# Altium PCB higgs.PcbDoc (part 1 of 25) (continued)
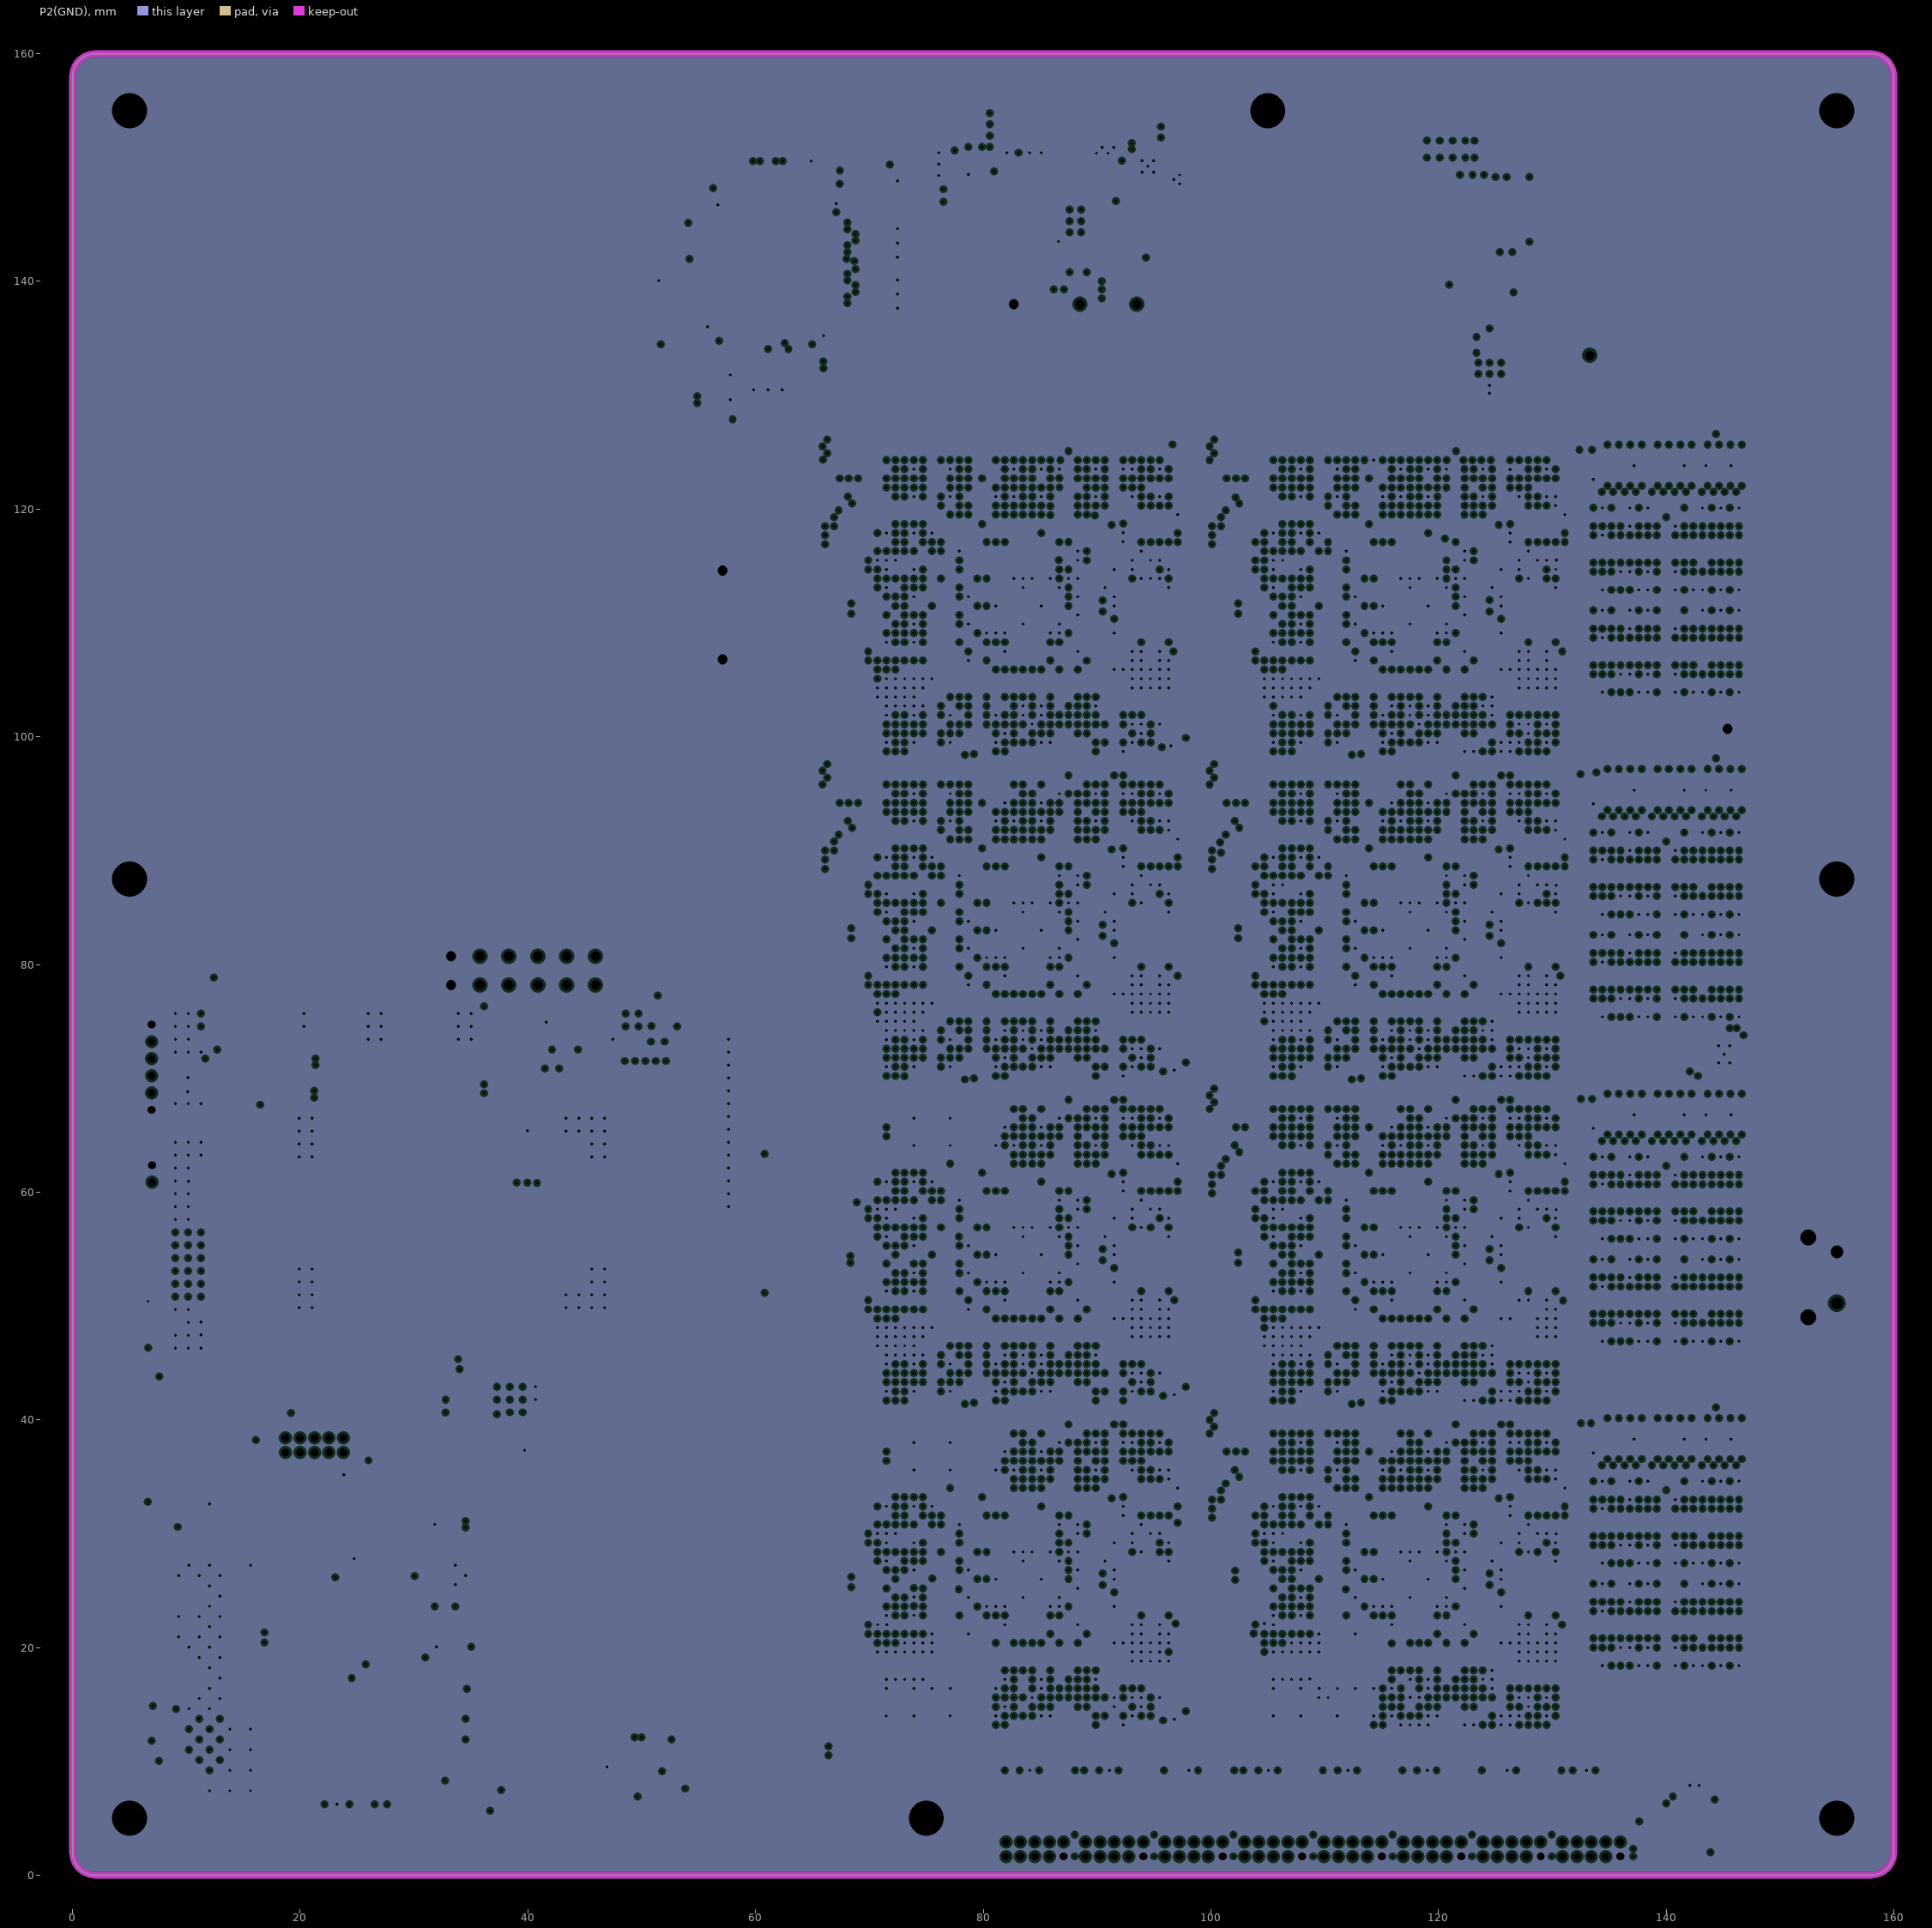
[diagram p4: P2(GND), clearances drawn from the general rule]
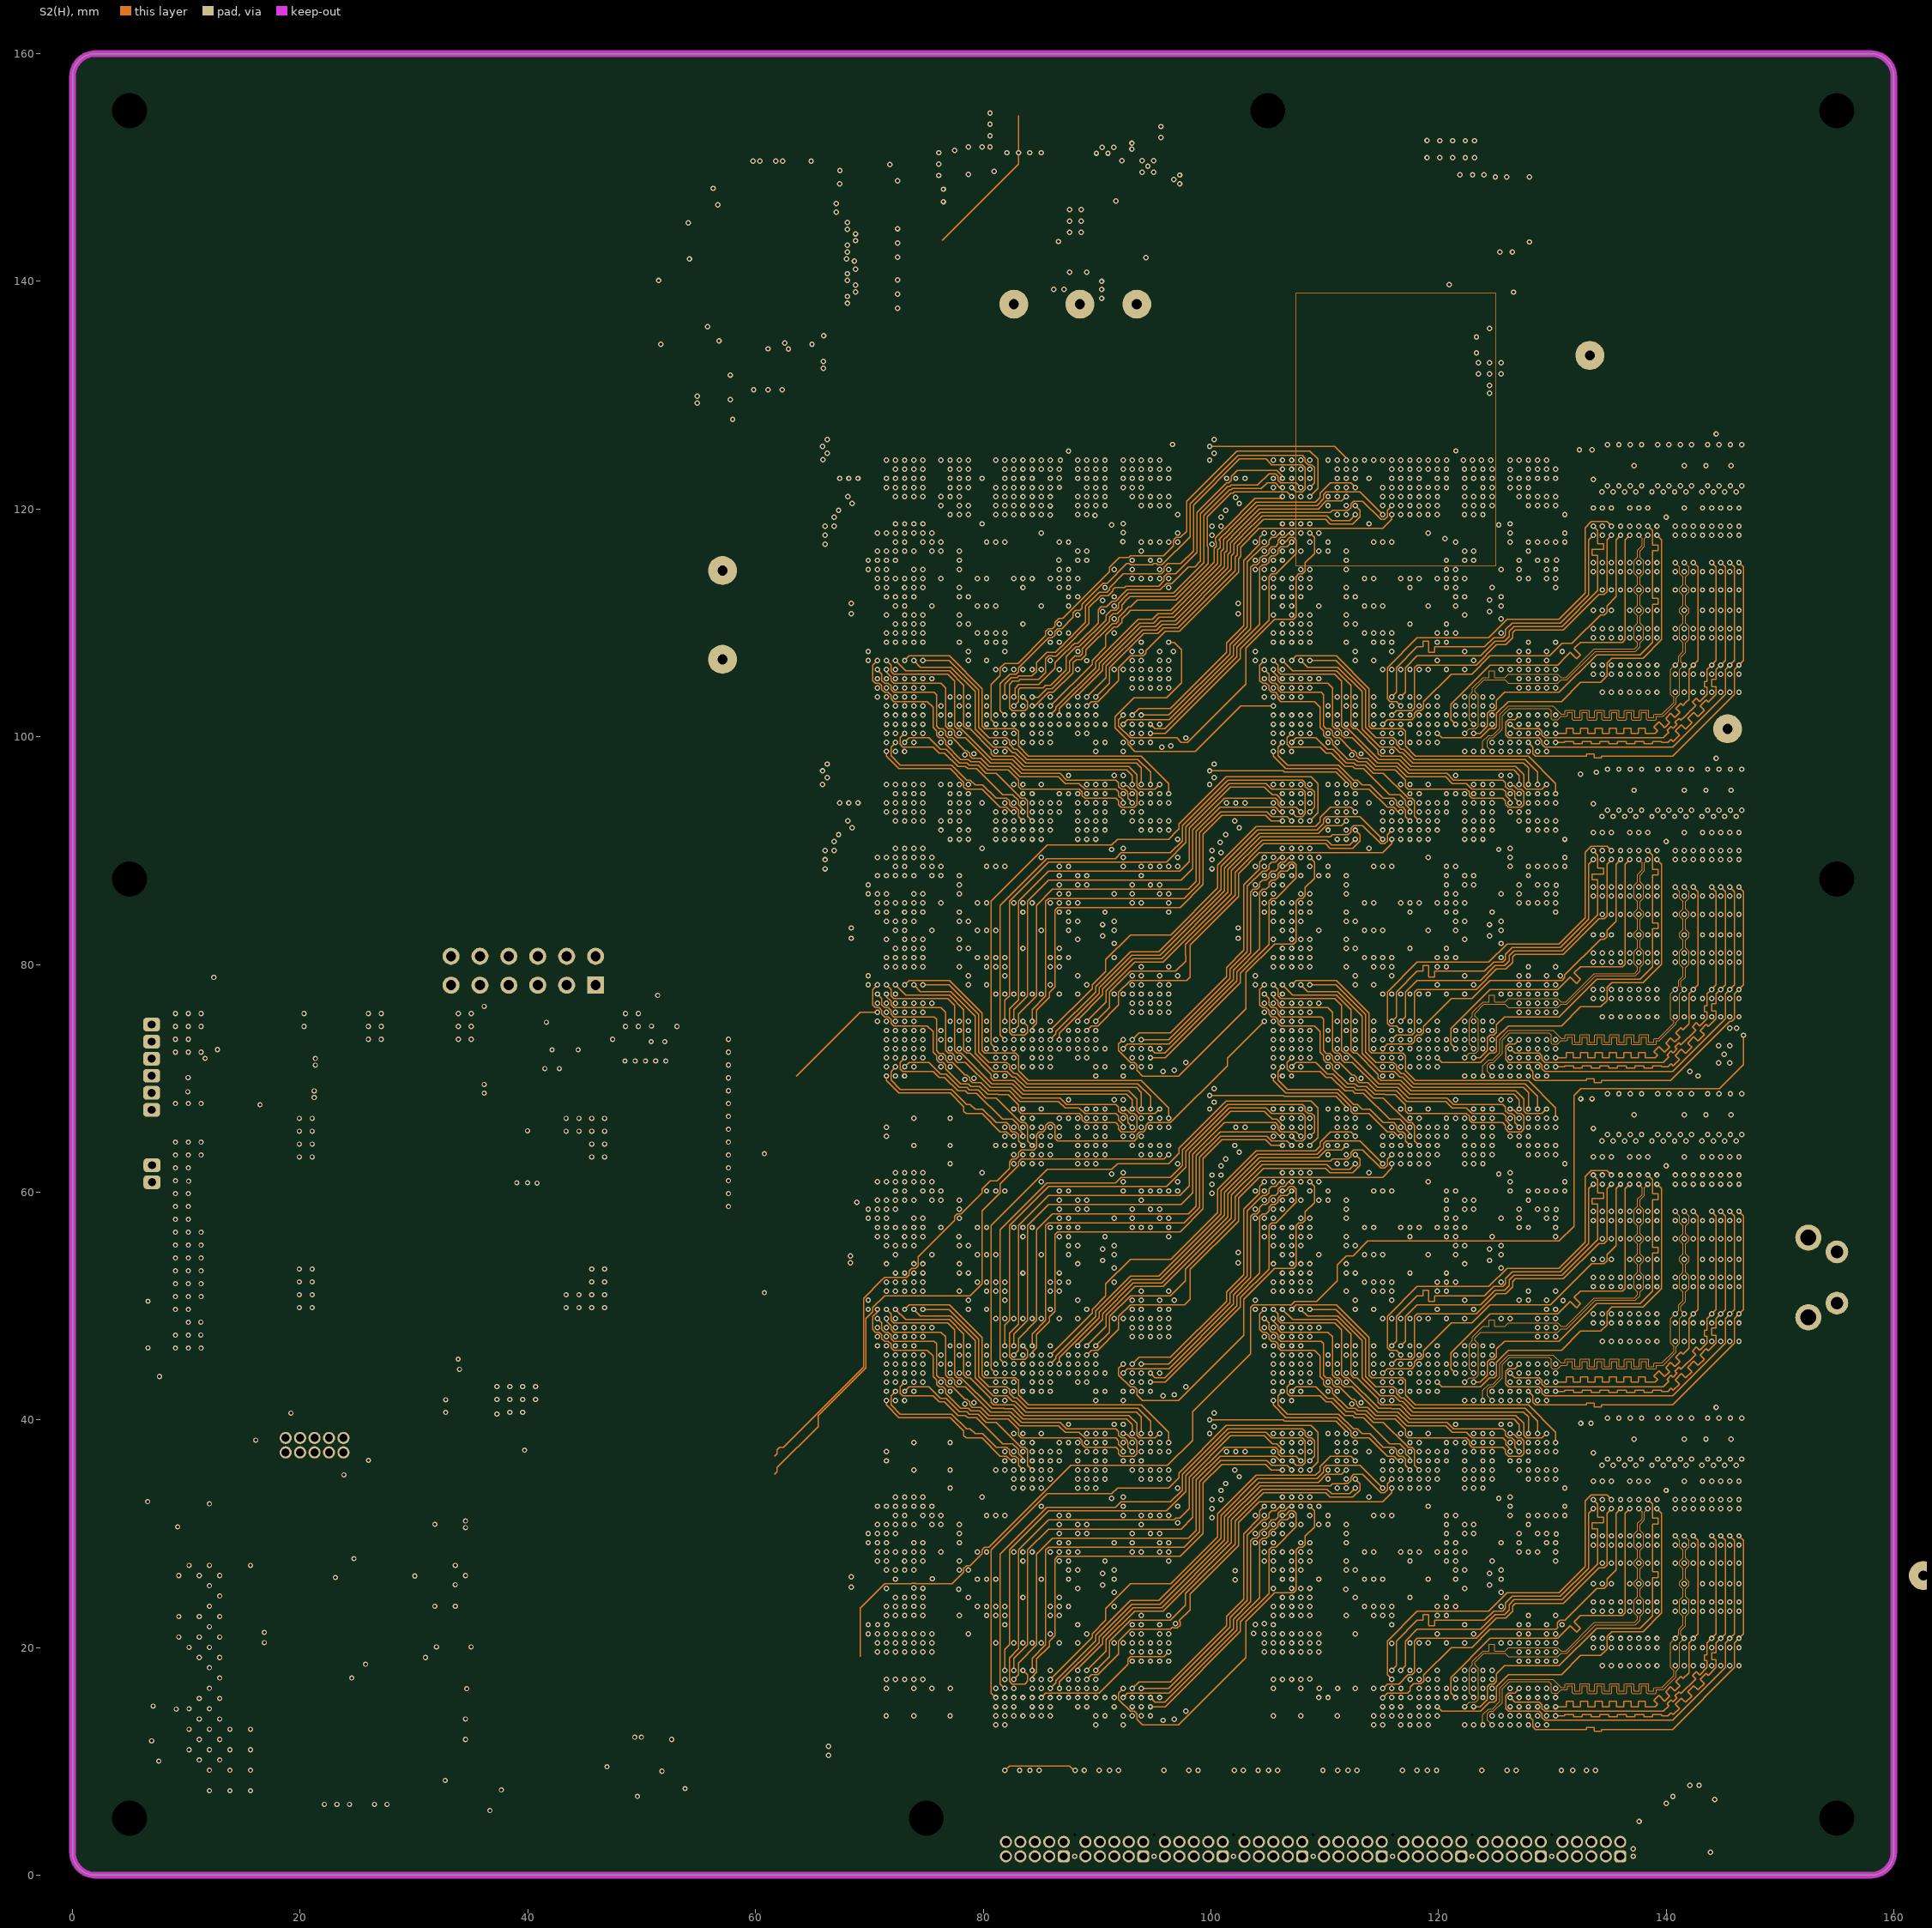
[diagram p5: S2(H)]
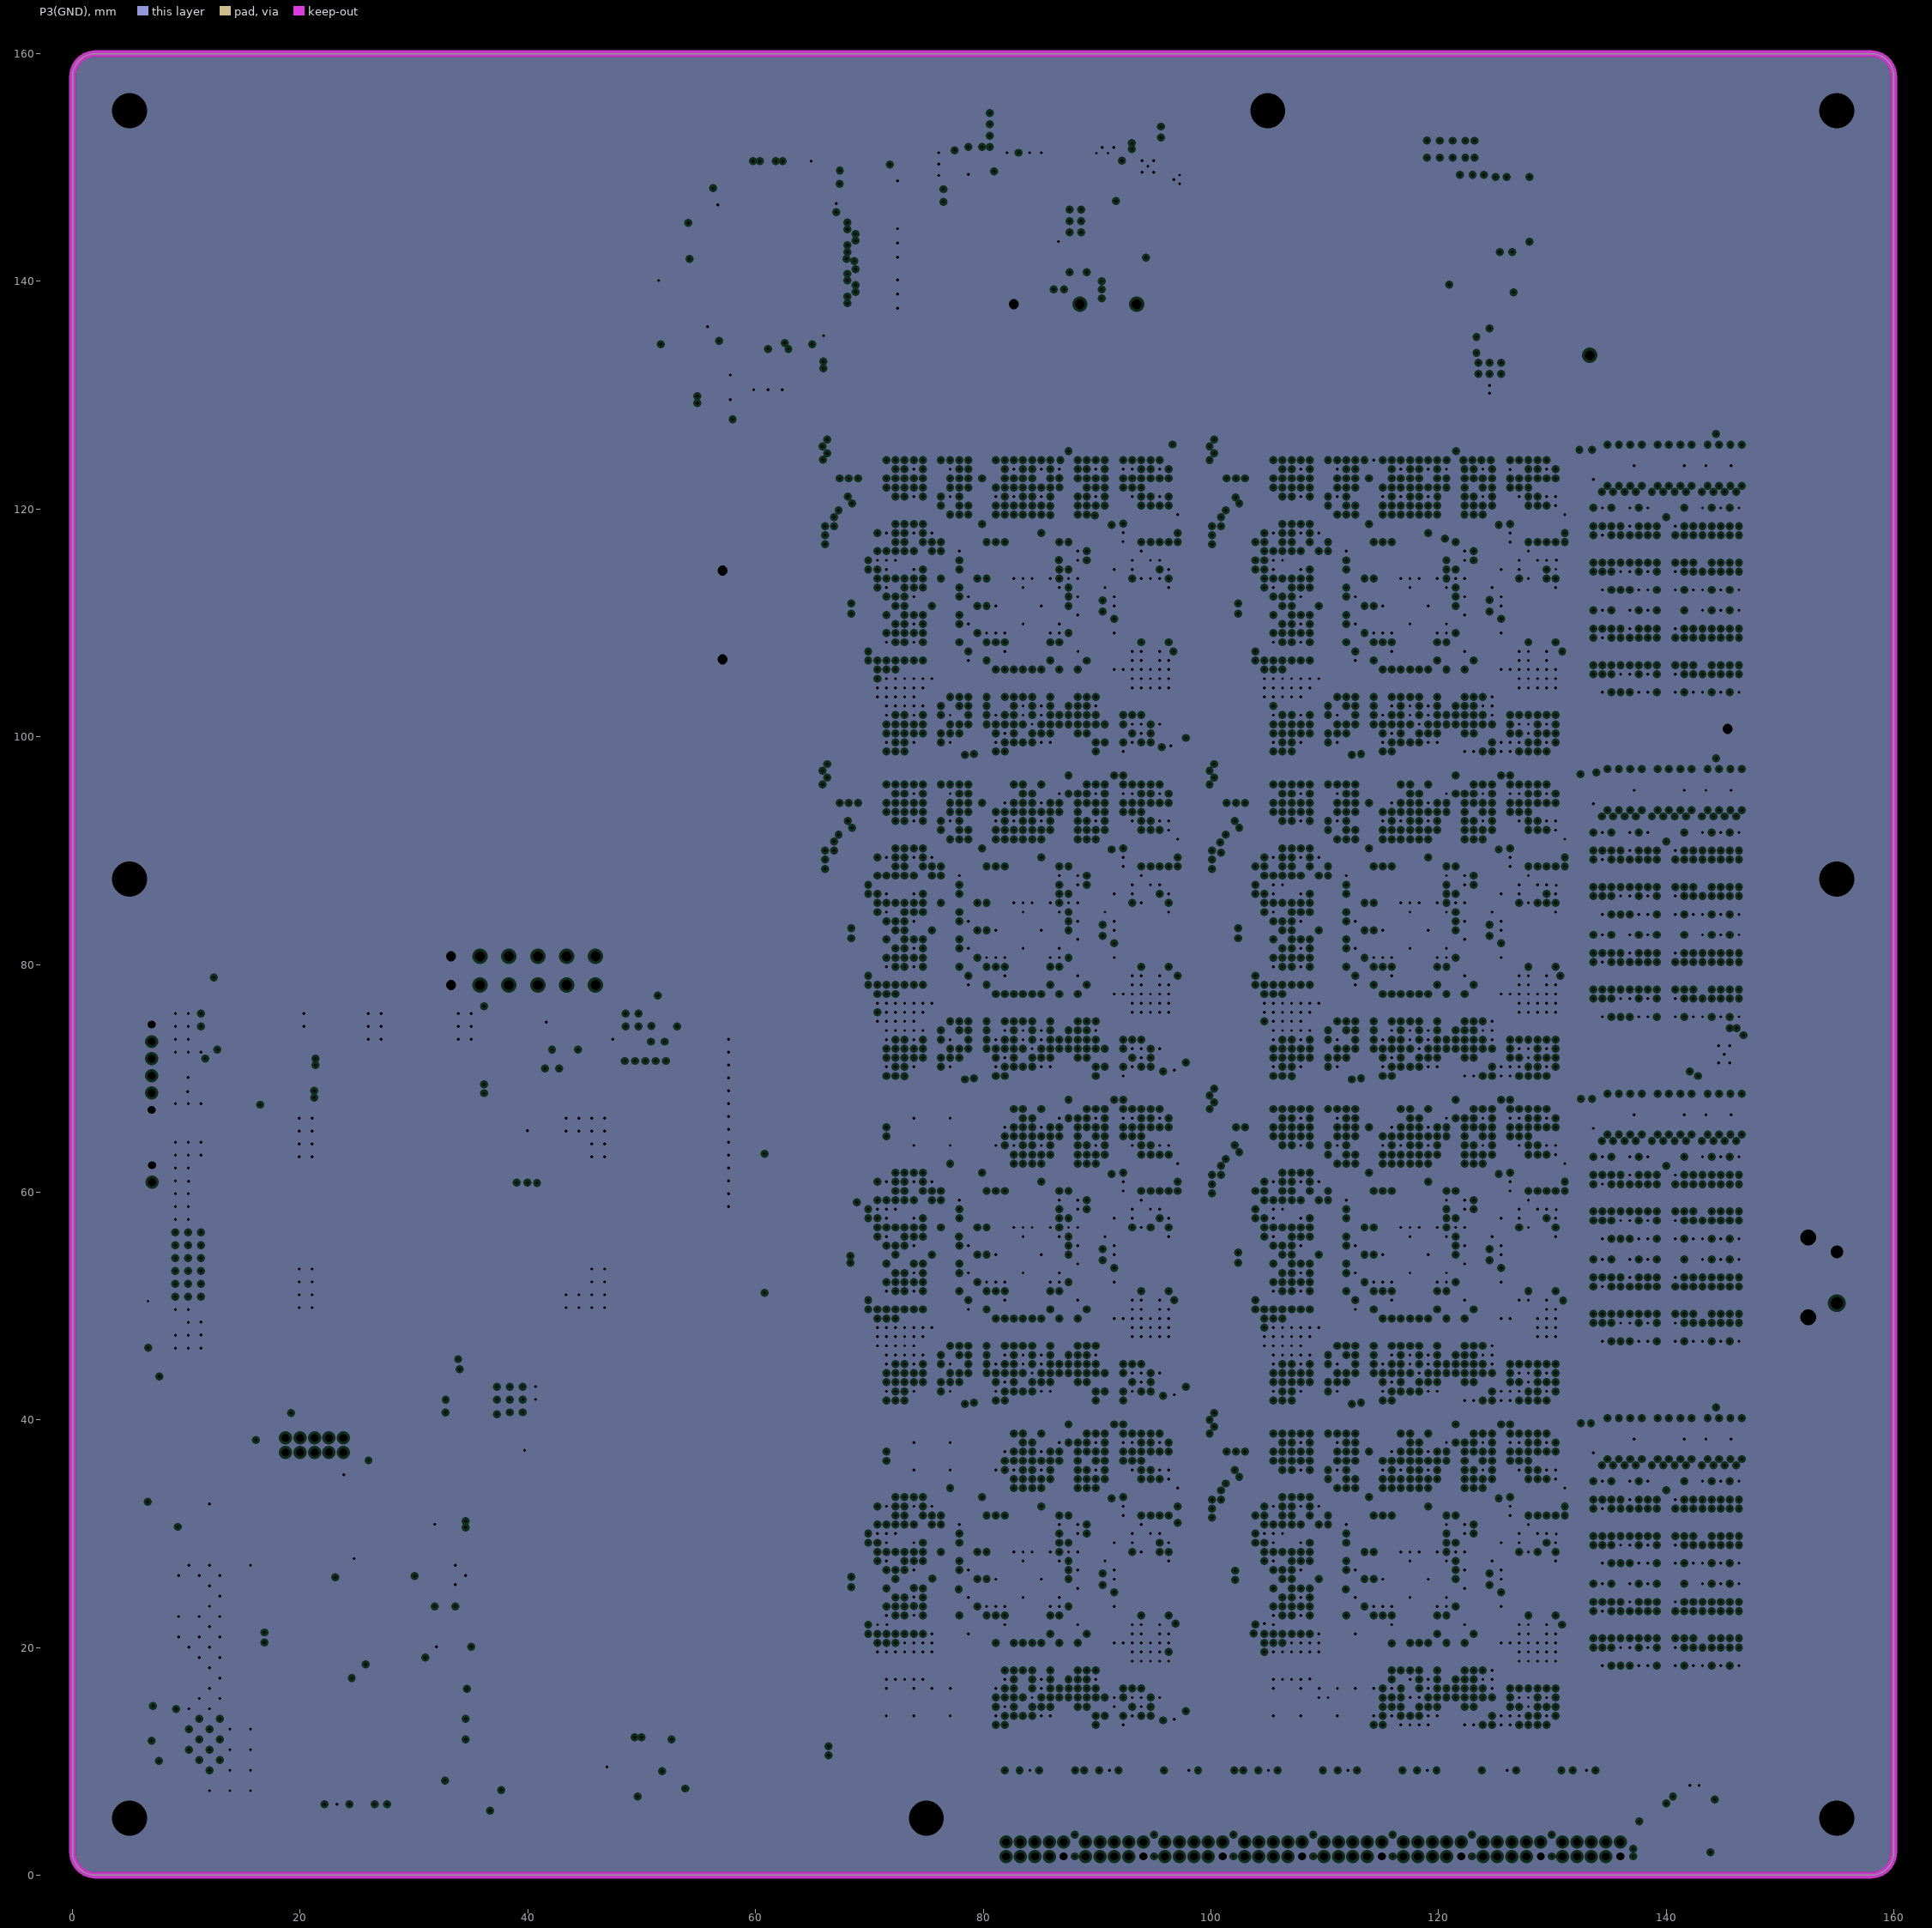
[diagram p6: P3(GND), clearances drawn from the general rule]
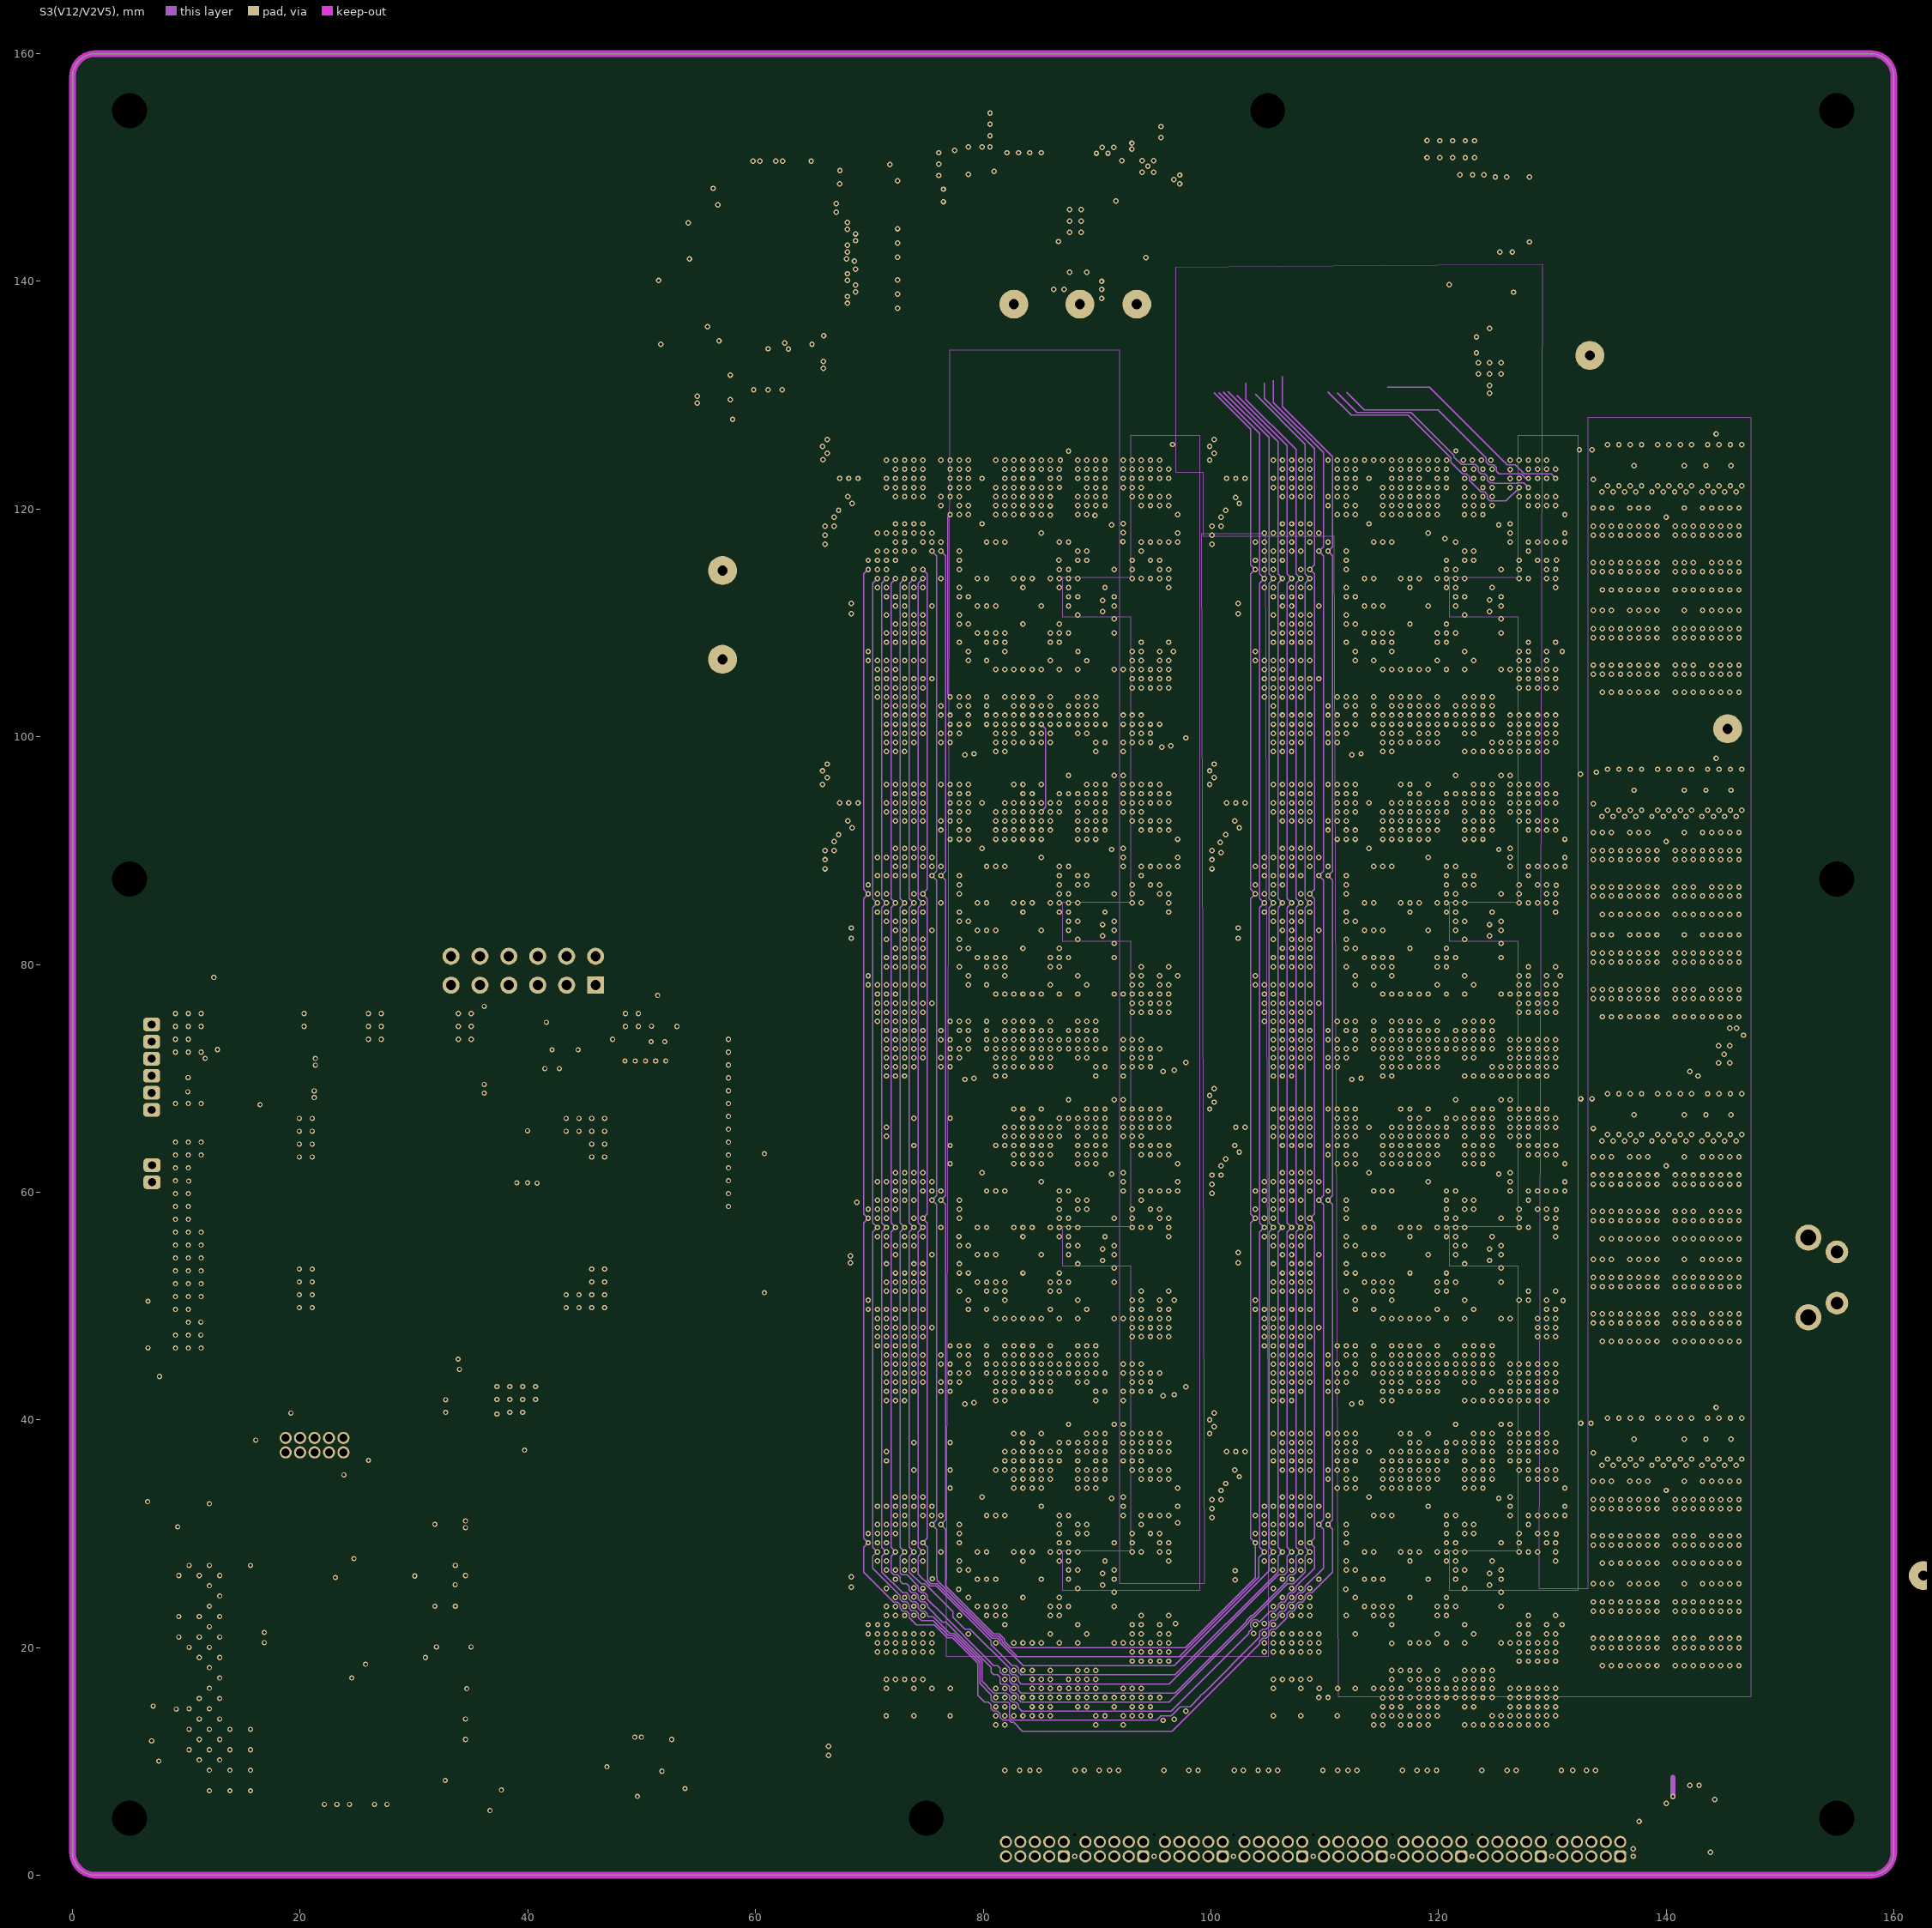
[diagram p7: S3(V12/V2V5)]